# KiCad board SlowLampLEDPanel.kicad_pcb (continued)
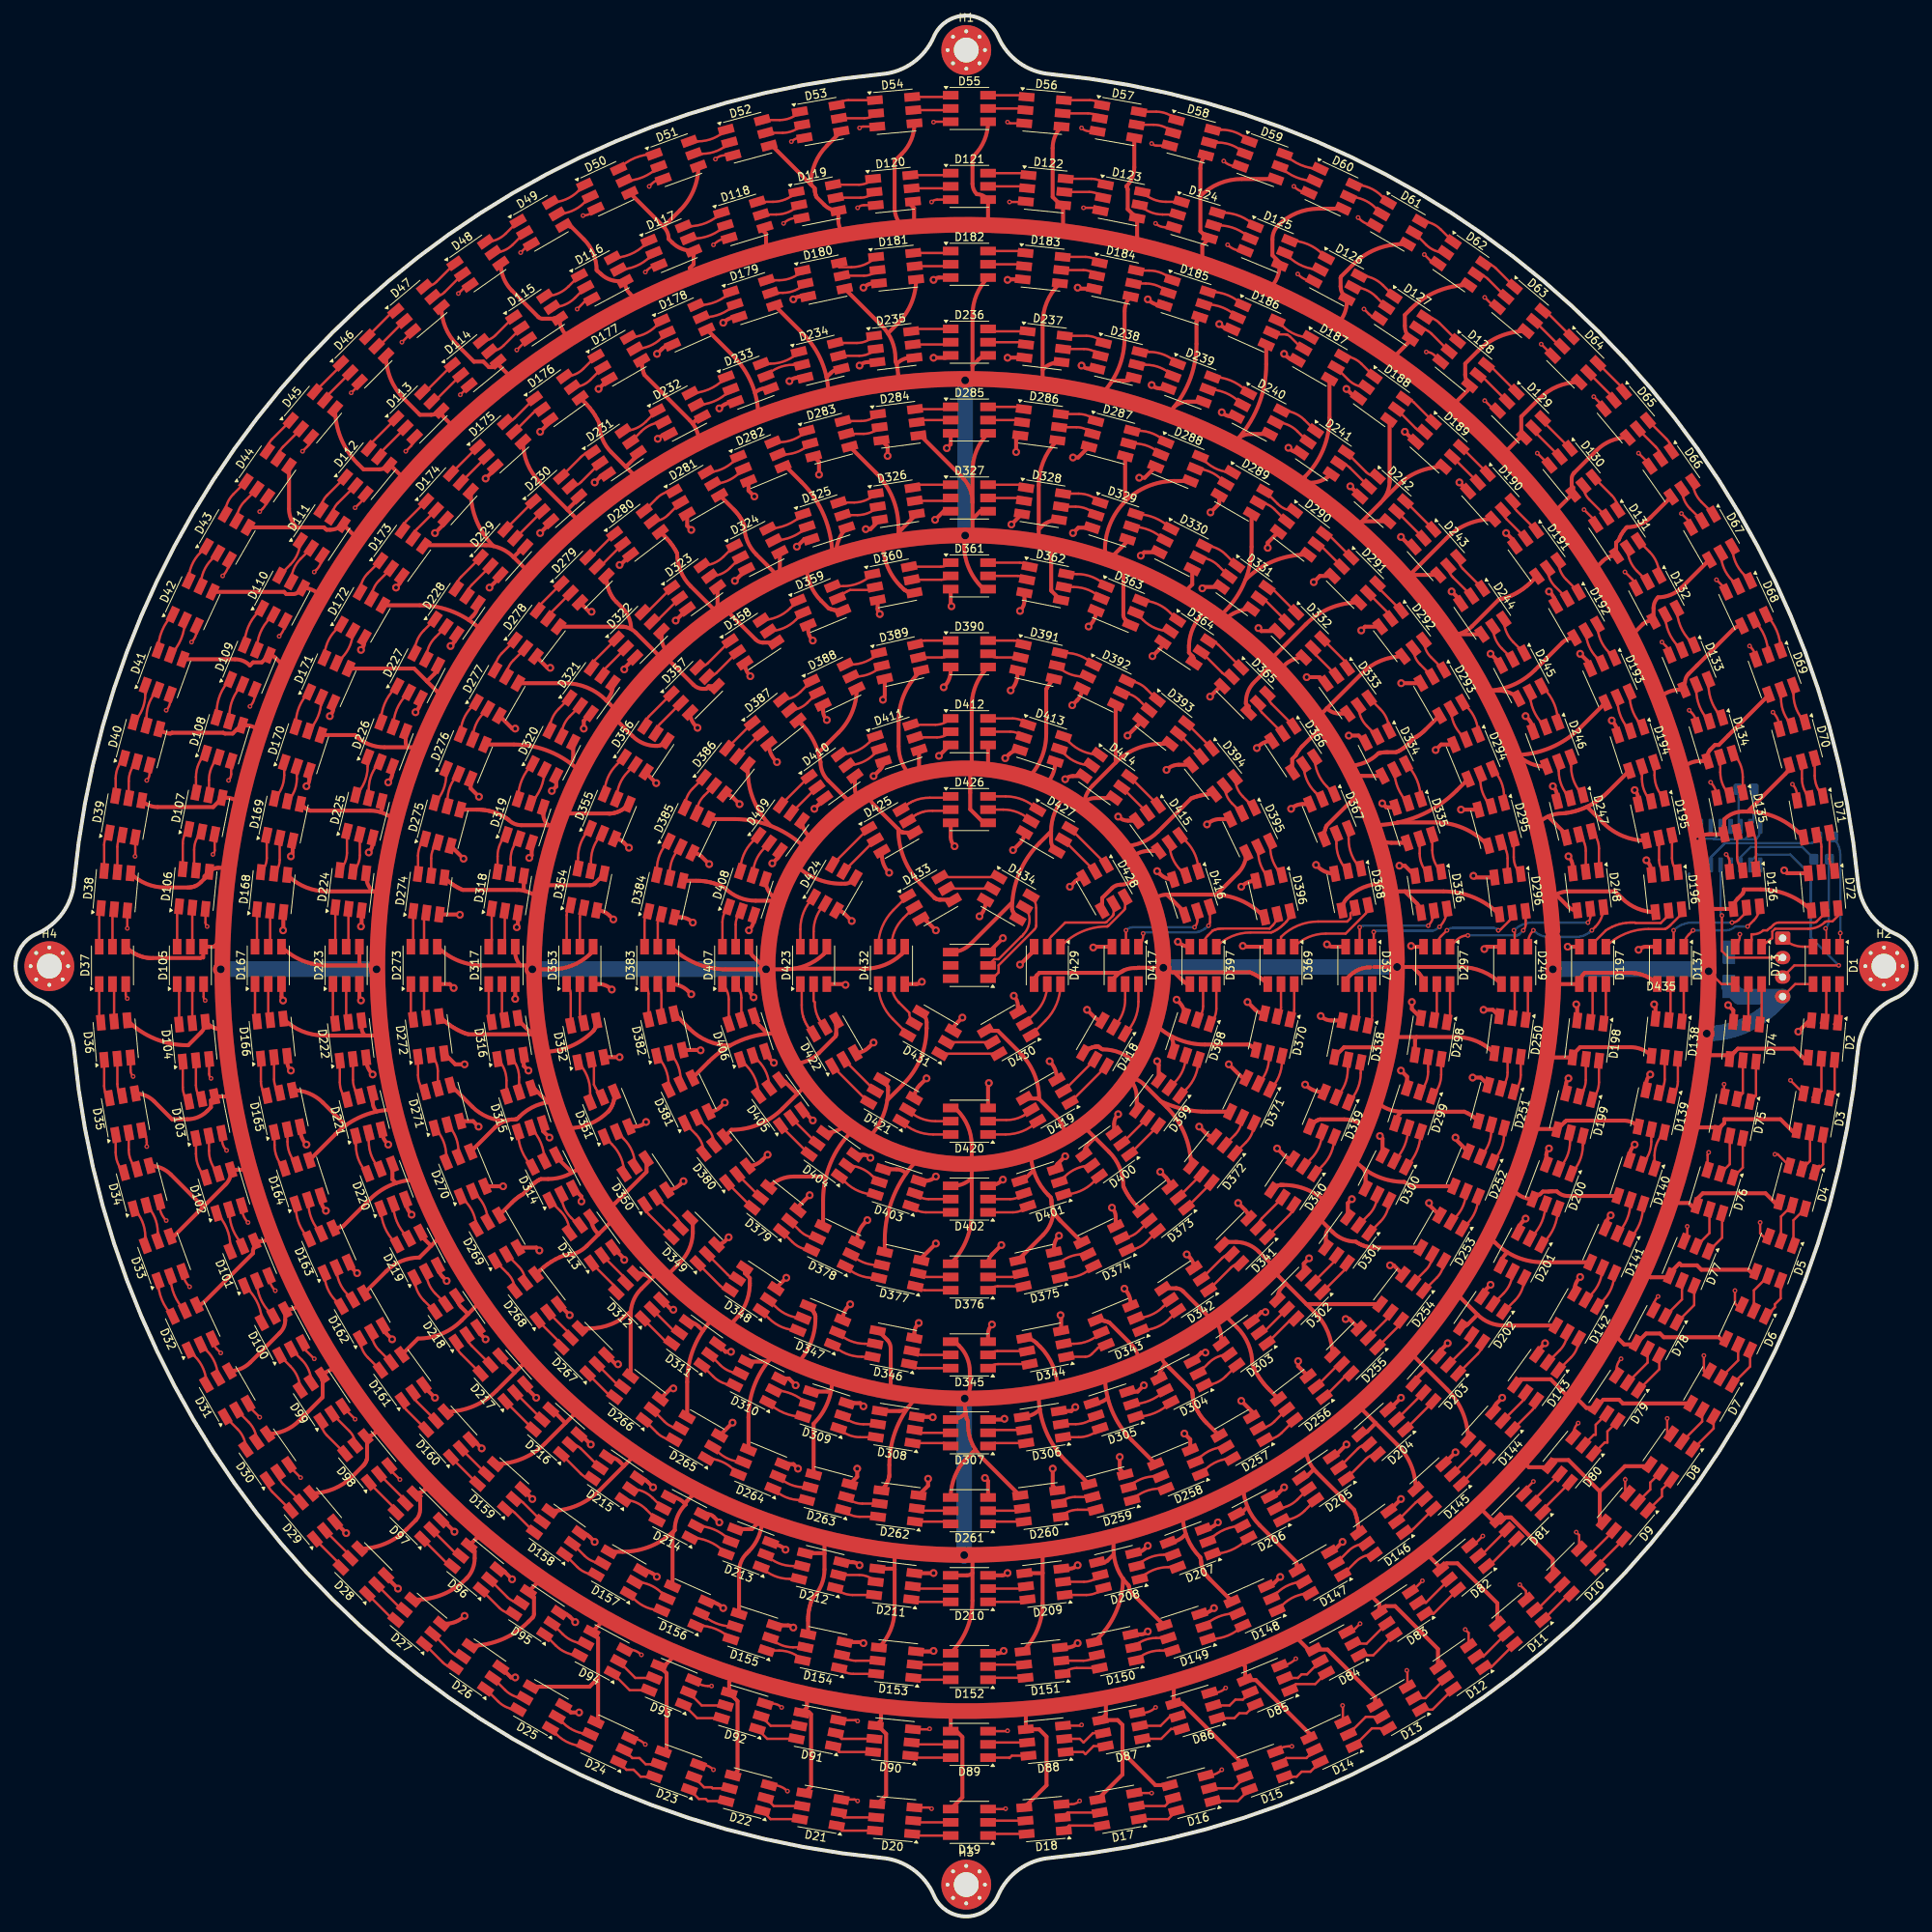
[diagram p0: board, top side]
## Routing (per net, layer and track width the routed paths; a pad name or vN(x,y) marks a point on that pad's centre or on a via; arc(x,y) is an arc through that point) (continued)
213.68,157.48 arc(212.17,157.18) 210.9,156.33 ; D387.4 100.73,153.22 100.96,152.99 101.16,152.77 101.37,152.53 arc(101.46,152.41) 101.56,152.29 arc(102.7,150.35) 103.32,148.18 arc(103.58,146.9) 104.31,145.81 106.45,143.66 arc(107.08,143.24) 107.82,143.1 ; D57.4 143.61,224.54 arc(143.34,223.21) 142.59,222.08 142.64,222.02 142.72,221.89 142.76,221.74 142.76,221.66 142.76,219.16 143.85,218.07 arc(143.9,218.04) D123.4 143.97,215.71 arc(143.87,215.21) 143.59,214.79 ; D411.4 115.97,147.1 arc(116.02,146.89) 116.14,146.71 ; 39.42,68.73 39.37,68.78 D99.4 ; 102.09,222.33 102.59,221.83 102.59,221.66 102.6,221.5 102.63,221.33 102.66,221.18 102.7,221.01 102.75,220.86 102.82,220.7 103.82,219.7 arc(104.64,219.15) D119.4 105.61,217.74 arc(105.8,216.8) 106.34,216 ; 102.09,222.33 97.38,227.04 arc(97.08,227.24) D52.4 ; 102.09,222.33 arc(102.62,225.02) 104.15,227.3 D53.4 ; 68.34,104.51 66.67,106.17 arc(66.48,106.3) D315.4 ; 131.34,178.08 131.57,178.31 arc(132.65,179.03) D328.4 ; 131.34,178.08 131.34,176.48 131.34,176.48 ; 131.34,178.08 131.34,183.71 arc(131.9,186.7) 133.53,189.27 D286.4 ; D264.4 94.08,64.07 arc(94.96,68.46) 97.44,72.19 ; 26.08,125.08 25.57,124.57 25.53,124.53 25.48,124.48 D105.4 arc(24.1,124.42) 24.09,124.36 24.09,123.08 ; 155.05,166.29 155.14,166.38 arc(156.75,167.46) D331.4 ; D288.4 148.77,184.26 arc(145.34,183.58) 142.43,181.64 ; D67.4 213.86,170.58 arc(212.47,169.65) 210.84,169.33 arc(210.41,168.69) 210.26,167.94 D132.4 209.91,166.3 arc(209.35,166.19) 208.89,165.88 207.36,164.35 ; D40.4 18.54,152.34 arc(18.65,152.25) 18.75,152.17 arc(19.29,151.92) 19.87,151.84 19.93,151.88 20.05,151.94 20.12,151.94 26.65,151.94 arc(26.77,151.86) 26.9,151.84 27.86,151.84 28.43,152.4 28.66,152.56 28.94,152.79 D108.4 29.43,152.91 arc(30.52,152.69) 31.44,152.08 ; 163.77,36.14 164.07,36.14 166.16,34.06 ; D295.4 188.7,137.77 arc(185.75,139.74) 182.26,140.44 177.43,140.44 arc(177.38,140.42) 177.34,140.39 ; 112.34,67.32 112.34,72.91 arc(112.24,73.46) 111.95,73.95 111.87,74.04 110.78,75.13 ; 34.62,160.3 33.33,161.59 arc(32.97,161.83) D109.4 31.6,160.98 30.49,160.98 30.09,160.58 arc(29.21,161.17) 28.16,161.38 D41.4 ; D364.4 151.27,161.18 151.26,161.29 151.22,161.51 151.13,161.72 150.62,162.23 150.62,162.91 150.63,163.15 arc(151.14,165.38) 152.43,167.27 152.95,167.79 ; 176.29,132.58 175.45,132.58 arc(173,132.09) 170.92,130.7 arc(170.47,130.06) 170.28,129.29 D368.4 ; D334.4 172.69,146.41 arc(172.21,146.31) 171.79,146.04 ; 201.73,142.45 203.81,140.37 arc(206.33,138.68) D195.4 ; 201.73,142.45 201.43,142.32 201.16,142.2 200.85,142.09 200.57,141.99 200.26,141.9 199.98,141.82 199.65,141.75 199.37,141.69 199.02,141.64 198.76,141.61 198.56,141.59 arc(196.85,141.25) 195.41,140.28 195.2,140.08 ; D390.4 124.66,160.2 124.48,160 124.31,159.8 arc(124.23,159.7) 124.14,159.59 arc(123.09,157.56) 122.73,155.3 122.73,148.33 arc(122.63,147.82) 122.34,147.38 ; 105.11,216.05 105.34,215.82 ; D173.4 52.46,175.97 arc(52.52,176) 52.59,176.02 ; D269.4 63.71,91.63 63.92,91.83 64.1,92 64.26,92.13 64.46,92.29 64.62,92.4 64.74,92.48 64.83,92.54 64.9,92.58 65.12,92.7 66.2,93.78 66.34,93.91 66.5,94.06 66.64,94.18 66.83,94.32 66.98,94.41 67.09,94.48 67.17,94.53 67.24,94.57 67.29,94.59 67.44,94.66 68.37,94.66 arc(70.72,95.12) 72.71,96.46 ; 113.31,139.56 113.63,139.24 113.73,139.2 113.76,139.19 113.81,139.17 113.87,139.16 113.95,139.14 114.06,139.13 114.21,139.13 D425.4 ; 113.31,139.56 110.15,142.72 arc(109.71,143.38) 109.56,144.16 ; 140.34,174.13 142.56,176.35 arc(142.69,176.55) D329.4 ; D354.4 75.53,133.82 arc(75.52,133.79) 75.51,133.76 ; D287.4 142.43,181.64 ; 142.43,181.64 arc(140.51,178.76) 139.84,175.37 139.84,174.31 ; 147.8,131.16 149.86,129.11 arc(150.03,128.85) D416.4 ; 147.8,131.16 153.73,131.16 arc(157.13,130.49) 160.01,128.56 D396.4 ; 147.8,131.16 arc(146.78,130.96) 145.91,130.38 ; 175.56,181.85 177.32,183.62 arc(180.07,185.45) D189.4 ; 162.2,159.94 162.81,160.55 arc(163.98,161.33) D332.4 ; D164.4 41.05,100.41 arc(44.56,102.76) 48.7,103.58 ; D39.4 16.32,143.14 arc(17.21,142.59) 18.24,142.4 25.36,142.4 26.44,143.49 arc(26.48,143.54) D107.4 26.98,143.61 arc(28,143.41) 28.87,142.83 ; 122.73,147.57 122.54,147.37 122.54,144.5 122.54,144.25 122.54,142.12 124.22,140.44 124.37,140.38 D426.4 ; 133.21,90.65 133.15,90.8 133.09,90.99 133.05,91.13 133.03,91.24 133.01,91.32 133,91.39 132.98,91.57 132.98,91.76 132.97,91.9 132.95,92.01 132.94,92.09 132.92,92.15 132.91,92.19 132.86,92.32 132.57,92.61 arc(130.92,95.09) 130.34,98.01 ; 133.21,90.65 133.29,90.48 133.39,90.28 133.49,90.11 133.61,89.92 133.72,89.76 133.86,89.59 133.99,89.44 134.14,89.28 D374.4 ; 133.21,90.65 arc(132.87,88.94) 131.9,87.48 D375.4 ; 130.67,95.78 129.61,94.72 arc(129.28,94.5) D401.4 ; 191.22,187.77 191.22,187.46 ; D320.4 71.58,148.78 arc(71.5,148.36) 71.26,148 ; 70.84,180.58 72.15,181.89 arc(72.27,182.07) D230.4 ; 70.84,180.58 72.49,178.92 ; 70.84,180.58 67.28,184.14 arc(65.69,186.51) D175.4 ; 111.98,203.22 113.25,204.5 arc(114.99,207.09) D181.4 ; 152.09,220.83 152.09,216.33 152.75,215.66 152.82,215.6 152.99,215.5 153.17,215.45 D124.4 152.34,214.52 152.34,212.31 152.77,212.74 ; D99.4 arc(40.38,70.14) 41.58,70.38 41.63,70.38 ; D99.4 arc(39.41,69.41) 39.42,69.34 39.42,66.78 arc(39.41,66.7) 39.37,66.62 39.34,66.58 36.34,63.58 arc(34.51,62.36) D30.4 ; D239.4 150.41,194.44 arc(149.48,194.26) 148.69,193.73 ; D267.4 73.66,75.48 arc(76.54,76.05) 78.97,77.68 ; D209.4 131.79,44.06 arc(131.82,44.07) 131.84,44.08 ; 96.34,213.78 96.34,216 95.7,216.64 ; D191.4 194.59,171.34 194.39,171.15 194.16,170.94 193.95,170.76 193.71,170.57 193.49,170.4 193.24,170.23 193,170.08 192.74,169.92 192.49,169.79 192.21,169.65 191.97,169.53 191.67,169.41 191.42,169.32 191.21,169.25 190.95,169.17 190.75,169.12 190.59,169.08 190.48,169.06 190.39,169.04 186.97,165.62 arc(185.72,164.78) 184.25,164.49 ; 174.59,63.33 177.39,60.53 arc(179.13,57.93) D145.4 ; 174.59,63.33 172.29,65.63 ; 174.59,63.33 173.54,62.29 arc(173.09,61.98) D204.4 ; D324.4 98.11,172.71 arc(98.18,172.34) 98.39,172.03 ; D305.4 138.53,65.89 arc(139.43,66.07) 140.19,66.58 ; 70.59,63.33 72.28,65.02 ; 70.59,63.33 67.98,60.72 arc(65.04,58.76) D159.4 ; 70.59,63.33 68.95,64.97 arc(68.84,65.04) D216.4 ; D389.4 115.95,159.65 arc(114.03,156.77) 113.35,153.37 113.35,150.22 arc(113.76,148.15) 114.94,146.4 ; 149.81,169.76 151.04,170.99 D330.4 ; D384.4 87.39,132.94 87.66,132.94 87.93,132.93 88.2,132.91 88.47,132.87 88.73,132.83 89.01,132.78 89.26,132.72 89.54,132.65 89.79,132.57 90.05,132.48 90.29,132.38 90.56,132.27 90.79,132.16 91.04,132.02 arc(92.86,130.81) 95.01,130.38 97.74,130.38 ; 98.03,113.38 97.81,113.38 arc(93.04,112.43) 88.99,109.73 D381.4 ; D282.4 98.67,186.1 98.76,186.09 98.95,186.06 100.88,184.12 arc(103.81,179.74) 104.84,174.57 ; D377.4 111.57,86.77 arc(112.71,92.46) 115.94,97.3 ; D402.4 120.32,93.78 arc(121.63,94.04) 122.74,94.78 ; 131.34,67.28 131.34,66.92 arc(132.25,62.32) 134.86,58.42 D259.4 ; 100.41,25.94 101.43,25.94 101.61,25.75 ; D385.4 92.25,140.86 arc(97.25,139.87) 101.48,137.04 ; 104.84,69.18 104.84,69.03 arc(104.21,65.9) 102.44,63.24 D263.4 ; 190.59,50.53 191.28,51.22 191.96,51.22 197.32,45.85 D10.4 ; 26.93,133.9 27.26,133.58 ; D244.4 184.95,164.58 arc(184.89,164.57) 184.84,164.54 ; 78.34,186.08 79.86,184.56 ; 78.34,186.08 79.79,187.53 arc(79.89,187.69) D231.4 ; 78.34,186.08 76.48,187.94 arc(75.33,189.66) 74.93,191.68 74.67,192.2 74.38,192.7 74.06,193.18 73.71,193.64 73.33,194.07 73.12,194.28 D176.4 ; D32.4 23.38,78.49 arc(23.48,78.5) 23.59,78.52 arc(23.93,78.66) 24.22,78.88 30.47,85.13 30.47,85.49 30.58,85.79 30.66,86.14 30.7,86.5 D101.4 31.44,86.68 arc(32.29,86.85) 33.01,87.33 ; 190.65,51.58 189.75,50.67 187.92,52.5 187.42,52.5 ; D156.4 84.33,48.89 arc(84.4,49.26) 84.61,49.58 ; D163.4 40.98,88.36 41.34,88.4 41.7,88.48 42.04,88.6 45.52,92.08 arc(48.29,93.93) 51.56,94.58 ; D19.4 121.54,15.28 121.54,23.03 120.79,23.78 D89.4 120.04,26.3 119.84,26.5 ; 84.07,33.95 84.07,34.31 ; 56.05,191.16 56.05,190.87 ; D342.4 147.3,80.61 arc(147.33,80.63) 147.36,80.63 ; 64.09,69.83 61.74,67.48 arc(58.74,65.48) D160.4 ; 64.09,69.83 65.74,71.48 ; 64.09,69.83 62.43,71.49 arc(62.29,71.7) D217.4 ; 178.34,131.58 179.9,130.01 arc(180.27,129.47) D336.4 ; 178.34,131.58 183.31,131.58 arc(187.18,130.81) D296.4 ; 178.34,131.58 176.48,131.58 ; D360.4 115.22,169.92 115.07,169.93 114.92,169.96 114.77,169.99 114.63,170.03 114.48,170.09 114.35,170.15 114.2,170.23 114.1,170.3 114.02,170.36 113.61,170.76 arc(111.93,173.28) 111.34,176.26 ; 197.44,180.19 199.77,182.51 arc(199.85,182.57) D130.4 199.95,183.43 199.75,183.62 199.75,184.52 arc(199.81,184.9) 200.01,185.25 200.09,185.33 202.96,188.21 arc(204.79,189.43) D65.4 ; 197.74,131.18 199.3,129.61 arc(199.83,129.26) D248.4 ; 102.36,138.16 101.72,138.79 arc(101.15,139.65) D409.4 ; 49.36,184.21 49.71,184.21 ; 168.59,88.33 167.11,89.81 ; 168.59,88.33 169.06,87.85 arc(170.42,86.94) 172.03,86.62 172.18,86.52 172.38,86.4 172.54,86.31 172.74,86.22 172.92,86.14 173.12,86.07 173.31,86.01 173.52,85.96 173.71,85.92 173.92,85.89 174.12,85.87 174.33,85.85 174.54,85.85 D253.4 ; 168.59,88.33 arc(168.29,87.89) 168.19,87.38 D301.4 ; D420.4 120.51,103.78 120.66,103.72 120.85,103.52 arc(122.25,101.43) 122.74,98.97 122.74,94.78 ; 71.08,202.59 70.74,202.93 arc(70.06,203.95) D115.4 ; D422.4 105.39,114.8 105.35,114.38 105.34,114.35 105.34,113.38 105.34,113.29 105.33,113.18 105.31,113.09 105.27,112.98 103.13,110.84 arc(101.61,109.83) 99.83,109.47 ; D146.4 172.4,49.25 172.39,49.53 172.35,50.08 172.28,50.63 172.16,51.17 172,51.7 171.81,52.22 166.95,57.08 arc(165.96,58.56) 165.61,60.31 ; D429.4 130.74,119.82 130.75,119.95 130.78,120.09 130.81,120.22 130.85,120.36 130.9,120.47 130.97,120.61 131.03,120.71 131.08,120.78 131.12,120.83 131.42,121.12 131.44,121.13 141.5,121.13 arc(141.92,121.21) 142.27,121.45 ; D404.4 104,100.59 arc(105.43,100.88) 106.65,101.69 ; 176.73,199.97 178.86,202.11 arc(178.98,202.28) 179.02,202.48 D127.4 arc(178.52,203.26) 178.34,204.19 178.34,205.58 179.1,206.34 arc(182.51,208.62) D62.4 ; 87.34,210.78 86.54,211.58 87.04,212.08 D117.4 86.84,213.82 arc(85.46,214.09) 84.3,214.87 83.84,215.33 arc(83.67,216.18) 83.18,216.91 ; D192.4 199.96,164.15 arc(199.19,163.96) 198.54,163.5 195.04,160 arc(192.08,158.02) 188.59,157.33 ; D174.4 58.42,182.94 arc(59.18,179.14) 61.34,175.91 ; D221.4 45.84,104.52 arc(45.97,103.87) 46.34,103.32 ; D347.4 102.17,77.94 102.26,77.85 102.35,77.74 102.43,77.63 102.5,77.51 102.56,77.4 102.62,77.26 102.65,77.15 102.67,77.07 102.67,76.74 arc(102.04,73.58) 100.26,70.9 ; 40.9,71.29 41.05,71.29 ; 113.1,199.31 arc(112.98,199.48) 112.94,199.68 112.94,199.99 arc(112.5,202.24) 111.22,204.16 D180.4 ; D23.4 83.57,21.56 83.57,31.21 D93.4 83.29,32.18 84.77,33.66 84.77,34.31 ; 39.23,169.43 39.02,169.65 arc(38.04,170.3) D110.4 36.44,170.1 arc(36.1,169.86) 35.7,169.75 35.58,169.74 34.75,169.74 34.47,170.02 D42.4 ; 134.09,169.03 133.01,170.12 132.97,170.15 arc(132.94,170.22) 132.94,170.29 132.94,176.18 ; D140.4 205.64,92.48 199.28,92.48 arc(198.5,92.64) 197.84,93.08 197.23,93.08 197.04,93.08 196.79,93.05 196.04,93.05 195.72,92.72 195.57,92.65 195.24,92.45 194.94,92.2 D200.4 arc(193.54,92.32) 192.47,93.04 191.92,93.58 ; 197.53,180.47 197.23,180.47 ; D50.4 83.18,216.91 ; 83.18,216.91 85.32,219.04 arc(87.05,221.62) D51.4 ; D177.4 80.37,199.54 80.38,199.32 80.4,199.12 80.43,198.9 80.47,198.69 80.52,198.48 80.58,198.28 80.65,198.07 80.72,197.88 86.55,192.05 arc(87.43,190.73) 87.74,189.18 ; 96.54,113.31 95.17,114.69 arc(94.88,115.11) D406.4 ; 26.76,114.63 26.82,114.58 ; 160.96,161.2 165.61,165.85 arc(168.74,167.94) D291.4 ; 156.84,33.09 157.84,32.09 D85.4 159.21,30.34 166.03,23.52 D14.4 ; D346.4 110.69,75.17 arc(110.73,75.16) 110.76,75.15 ; 46.39,63.33 46.39,63.63 ; 190.98,187.72 192.85,189.59 arc(193.18,189.81) 193.57,189.89 D129.4 arc(193.37,190.29) 193.28,190.77 193.28,192.52 193.34,192.58 195.6,194.84 arc(197.95,196.41) D64.4 ; 168.07,139.37 168.1,139.49 168.13,139.59 168.15,139.66 168.22,139.86 168.29,140.02 171.35,143.08 arc(172.04,143.54) 172.86,143.7 ; 36.81,78.81 36.75,78.74 arc(35.77,78.09) D100.4 34.61,76.54 arc(34.44,75.68) 33.96,74.95 33.84,74.83 30.12,71.12 arc(28.9,70.3) D31.4 ; 42.38,101.54 39.46,104.46 arc(37.67,105.65) D165.4 ; 170.78,207.75 D126.4 170.89,207.3 arc(170.59,205.76) 169.71,204.45 ; 122.84,44.08 122.84,40.54 arc(122.11,36.88) D152.4 ; 122.84,44.08 122.84,46.39 ; 122.84,44.08 arc(122.5,43.86) 122.11,43.78 D210.4 ; D431.4 116.55,115.75 arc(116.85,115.31) 116.95,114.78 ; 53.34,55.59 52.59,54.84 52.58,54.83 52.49,54.73 52.27,54.57 52.03,54.44 51.78,54.34 51.52,54.28 51.38,54.27 D97.4 51.94,53.56 51.94,52.28 arc(51.81,51.56) 51.43,50.93 51.34,50.83 50.21,49.7 arc(47.43,47.85) D28.4 ; 46.95,62.91 46.11,62.06 46.01,61.97 45.8,61.82 45.57,61.7 45.32,61.62 45.06,61.58 D98.4 arc(45.07,61.36) 45.12,61.1 45.12,58.86 45.11,58.77 45.08,58.66 45.04,58.51 44.99,58.4 44.92,58.26 44.85,58.15 44.77,58.03 44.69,57.93 44.59,57.83 43.27,56.52 arc(40.82,54.88) D29.4 ; 48.84,94.14 48.37,94.6 D220.4 ; D344.4 129.65,74.24 arc(130.41,74.05) 131.06,73.6 131.5,73.16 arc(133.15,70.68) 133.74,67.75 ; 50.34,150.08 51.91,150.08 ; 50.34,150.08 arc(50.14,150.37) 50.08,150.71 D226.4 ; 154.74,166.98 154.47,166.72 ; 196.72,141.19 198.76,139.16 arc(198.96,138.85) D247.4 ; D233.4 96.27,196.14 arc(95.53,196) 94.91,195.58 ; 52.75,56.09 52.85,56.09 ; D403.4 113.08,95.91 arc(113.75,95.77) 114.33,95.39 ; 140.78,197.14 142.57,197.14 arc(143.07,197.24) D238.4 ; 215.16,100.35 214.93,100.58 ; D343.4 138.9,76.54 139.1,76.53 139.29,76.52 139.49,76.5 139.67,76.46 139.87,76.42 140.05,76.37 140.24,76.3 140.41,76.23 143.24,73.39 arc(143.93,72.36) 144.18,71.14 ; 71.44,95.48 69.57,97.35 arc(69.44,97.53) D314.4 ; 166.66,57.4 165.95,56.7 arc(165.49,56.39) D205.4 ; D337.4 170.74,120.15 170.8,120.3 171.22,120.72 arc(172.46,121.55) 173.91,121.84 ; D290.4 165.66,174.8 arc(161.44,173.97) 157.87,171.58 ; 43.6,176.43 43.6,176.32 ; 202.59,172.83 203.71,173.95 arc(204.53,174.5) D131.4 arc(205.47,174.75) 205.45,174.82 205.45,176.35 205.78,176.68 205.94,177.06 206.15,177.45 206.4,177.82 206.68,178.17 206.84,178.33 arc(208.49,178.66) 209.89,179.59 D66.4 ; D424.4 107.45,132.97 arc(107,132.67) 106.48,132.57 105.98,132.57 arc(102.81,133.2) 100.12,134.99 ; 71.2,203.07 71.85,203.07 ; D358.4 97.57,163.55 arc(97.54,163.53) 97.51,163.52 ; 154.14,131.16 156.9,133.92 arc(157.7,135.12) D395.4 ; 150.22,49.08 150.01,48.87 arc(149.07,48.24) D207.4 ; D162.4 47.57,82.81 arc(49.53,84.12) 51.84,84.58 53.34,86.08 ; D362.4 134.18,168.98 arc(134.15,168.99) 134.12,169.01 ; D169.4 36.71,142.64 36.85,142.52 37.02,142.39 37.17,142.28 37.32,142.19 37.48,142.1 37.64,142.02 37.81,141.95 45.5,141.95 arc(47.28,141.59) 48.8,140.58 ; 83.42,161.7 87.01,158.11 arc(87.52,157.75) 88.13,157.59 88.27,157.58 88.65,157.58 88.99,157.93 D357.4 89.9,157.85 arc(89.8,157.78) 89.7,157.72 arc(89.43,157.62) 89.15,157.58 ; D382.4 86.5,113.96 arc(88.9,112.36) 91.72,111.79 ; D414.4 138.57,143.56 arc(137.81,143.41) 137.16,142.98 ; D262.4 111.28,54.82 111.42,54.98 111.54,55.13 111.66,55.3 111.75,55.46 111.86,55.65 111.93,55.81 111.99,55.95 112.05,56.13 112.09,56.26 112.12,56.36 112.14,56.44 112.15,56.5 112.16,56.68 112.16,57.95 arc(113.12,62.75) 115.84,66.82 ; D265.4 86.21,68.61 arc(87.1,73.08) 89.63,76.87 ; 104.1,197.58 104.61,198.09 arc(105.26,198.53) D234.4 ; D266.4 78.95,77.45 78.96,77.46 arc(78.97,77.57) 78.97,77.68 ; 203.04,65.47 203.04,65.56 203.81,66.33 205.84,66.33 206.32,65.85 D7.4 ; D363.4 142.43,166.49 arc(142.26,166.74) 142.2,167.04 142.2,172.5 arc(142.29,172.94) 142.54,173.31 ; 49.94,184.47 48.23,186.19 arc(48.11,186.27) D112.4 arc(47.38,185.9) 46.67,185.76 44.66,185.76 43.94,186.48 arc(41.78,189.71) D45.4 ; D365.4 158.29,155.31 157.94,155.66 157.94,155.86 arc(158.22,157.26) 159.01,158.45 ; D300.4 173.29,95.14 arc(173.19,95.67) 172.88,96.13 ; D185.4 151.9,205.21 151.79,205.07 151.72,204.97 151.67,204.89 151.63,204.82 151.61,204.77 151.59,204.73 151.59,201.86 arc(150.62,196.95) 147.84,192.79 ; 53.34,86.08 54.74,87.48 ; 53.34,86.08 52.27,87.15 arc(52.06,87.46) D219.4 ; D279.4 75.84,171.86 75.85,171.64 75.88,171.41 75.91,171.2 75.95,170.97 76,170.76 76.06,170.54 76.13,170.34 76.21,170.11 76.3,169.92 76.41,169.71 76.51,169.53 76.64,169.31 arc(76.69,169.24) 76.75,169.16 arc(76.93,168.94) 77.13,168.73 77.89,167.97 arc(78.72,166.73) 79.01,165.26 ; D178.4 92.1,200.33 arc(94.5,196.75) 95.34,192.53 ; 56.3,191.11 54.97,192.44 arc(54.72,192.83) D113.4 arc(54.04,192.89) 53.35,192.76 51.91,192.76 49.85,194.82 arc(48.15,197.36) D46.4 ; D115.4 69.14,205.15 69.09,205.1 ; D115.4 arc(69.76,205.11) 69.7,205.1 67.65,205.1 arc(67.38,205.14) 67.14,205.28 67.09,205.33 63.73,208.69 arc(62.66,210.29) D48.4 ; D274.4 55.22,133.19 55.42,133.01 55.61,132.85 55.82,132.68 56.03,132.53 56.25,132.38 56.47,132.24 56.7,132.11 56.93,131.99 57.17,131.87 57.4,131.77 64.35,131.77 arc(65.9,131.46) 67.22,130.58 ; D303.4 154.76,74.34 arc(154.52,75.55) 153.83,76.58 ; 122.74,94.78 122.74,90.3 arc(122.04,86.77) D376.4 ; D22.4 92.68,18.68 92.68,27.63 D92.4 91.61,30.12 92.59,31.11 ; 80.99,97.12 80.99,95.58 76.98,91.57 arc(76.47,91.23) 75.87,91.11 ; 130.1,23.82 129.18,23.82 ; 110.92,24.29 109.91,24.29 ; D322.4 82.91,164.3 arc(83.15,163.11) 83.83,162.09 ; D351.4 76.89,105.61 76.89,105.41 76.88,105.23 76.85,105.03 76.82,104.85 76.77,104.65 76.72,104.47 76.66,104.28 76.59,104.11 76.52,103.97 76.43,103.8 76.35,103.67 76.24,103.51 76.15,103.4 76.08,103.31 76.06,103.31 arc(73.71,101.73) 70.93,101.18 70.55,101.18 ; 27.64,134.18 27.22,134.6 26.05,134.6 25.92,134.6 25.65,134.56 25.4,134.48 25.16,134.35 24.94,134.2 D106.4 24.25,133.51 24.25,133.23 23.82,132.8 arc(23.5,132.51) 23.15,132.3 arc(23.07,132.27) 22.99,132.23 22.85,132.19 22.7,132.15 22.55,132.12 22.39,132.09 22.25,132.08 22.09,132.08 19.18,132.08 arc(16.78,132.55) D38.4 ; D289.4 158.67,175.81 arc(157.77,171.34) 155.24,167.54 ; D150.4 138.99,35.75 arc(141.33,39.26) 142.16,43.4 ; 169.39,110.42 170.48,111.51 170.51,111.54 170.54,111.56 175.89,111.56 arc(176.13,111.51) 176.33,111.38 ; 97.48,163.52 95.94,163.52 95.84,163.52 arc(95.39,163.64) 95.01,163.91 91.05,167.87 ; D193.4 200.89,152.61 arc(196.98,150) 192.36,149.08 ; 131.84,44.08 131.84,40.19 arc(131.17,36.84) D151.4 ; 131.84,44.08 131.84,47.04 ; 97.74,130.38 97.15,130.97 arc(96.49,131.95) D408.4 ; 97.74,130.38 97.96,130.38 ; 59.59,49.28 60.04,49.28 ; 88.23,75.18 87.7,75.71 arc(87.03,76.17) D311.4 ; D243.4 179.53,172.21 arc(179.01,172.1) 178.56,171.8 183.65,176.89 arc(186.41,178.73) D190.4 ; D168.4 35.06,133.52 arc(37.33,132.08) 39.98,131.58 ; D184.4 143.02,207.82 arc(142.91,207.69) 142.81,207.55 arc(142.47,206.84) 142.36,206.06 142.36,202.63 arc(141.57,198.68) 139.34,195.34 ; D294.4 184.97,144.52 arc(180.06,141.23) 174.26,140.08 ; D187.4 168.67,192.39 arc(167.85,188.31) 165.54,184.85 arc(165.53,184.79) 165.5,184.75 165.05,184.29 164.79,184.03 166.17,184.03 arc(167.64,184.32) D241.4 ; D361.4 124.44,170.38 124.38,170.38 124.34,170.39 124.3,170.4 124.28,170.41 124.22,170.44 124.04,170.62 arc(122.34,173.17) 121.74,176.18 ; 63.92,174.49 65.93,172.49 ; 63.92,174.49 65.1,175.67 arc(65.25,175.76) D229.4 ; 104.04,94.98 99.93,94.98 arc(98.17,94.63) D379.4 ; D172.4 51.88,168.31 arc(56.25,167.44) 59.95,164.97 ; 63.71,197.45 62.18,198.98 arc(62,199.26) D114.4 61.22,198.88 60.76,198.88 60.05,199.59 58.86,199.59 58.84,199.58 56.66,201.75 arc(55.18,203.97) D47.4 ; 184.45,193.94 186.37,195.86 arc(186.58,196.18) D128.4 arc(186.23,197.17) 186.09,197.91 186.09,199.33 187.69,200.93 arc(190.53,202.83) D63.4 ; D188.4 176.33,192.05 arc(176.36,191.99) 176.38,191.93 ; D308.4 113.44,64.87 arc(114.06,64.99) 114.57,65.34 ; 138.76,27.48 138.34,27.9 ; D138.4 209.87,110.59 arc(208.68,111.33) 207.31,111.58 200.84,111.58 200.13,110.87 arc(199.94,110.59) D198.4 197.35,110.26 arc(196.93,110.34) 196.58,110.58 ; 191.5,85.25 191.24,84.98 arc(190.8,84.33) D201.4 ; D276.4 63.99,150.43 arc(68.6,149.52) 72.51,146.9 ; 26.27,124.28 26.57,124.58 ; D391.4 133.14,158.73 133,158.57 132.85,158.38 132.73,158.22 132.58,158.01 132.48,157.85 132.41,157.73 132.36,157.63 132.33,157.56 132.3,157.51 132.3,151.79 arc(131.69,148.71) 129.94,146.09 ; D147.4 164.51,44.63 164.49,44.83 164.47,45.07 164.45,45.26 164.4,45.51 159.71,50.2 arc(158.13,52.56) 157.58,55.33 ; 129.59,26.79 129.68,26.69 D88.4 131.4,24.02 132.34,23.08 132.34,16.83 D18.4 ; D37.4 14.29,124.33 14.46,124.17 14.63,124.04 14.81,123.9 14.99,123.78 15.19,123.66 15.38,123.55 15.59,123.45 15.78,123.36 16,123.28 16.2,123.21 16.43,123.15 16.63,123.1 16.88,123.05 17.07,123.03 17.21,123.02 17.32,123.02 arc(17.36,123.01) 17.4,123.01 arc(17.52,123.02) 17.64,123.03 23.71,123.03 arc(23.78,123.04) 23.84,123.08 ; 132.18,145.22 132.23,145.27 arc(133.14,146.64) D413.4 ; D421.4 111.38,107.26 111.52,107.12 111.77,106.81 112,106.47 112,106.07 arc(111.33,102.72) 109.43,99.87 ; D69.4 arc(225.01,156.78) 224.96,156.7 218.64,150.38 218.14,150.38 217.56,149.8 217.48,149.71 arc(217.27,149.34) 217.2,148.93 D134.4 216.27,148.32 arc(214.97,148.06) 213.88,147.33 ; D36.4 arc(17.89,112.66) 22.07,111.83 22.09,111.83 22.17,111.83 23.82,113.48 arc(24.23,114.1) D104.4 24.48,114.72 24.6,114.61 24.85,114.41 25.13,114.24 25.42,114.1 25.73,113.99 26.04,113.92 26.36,113.88 26.53,113.88 26.76,113.88 arc(26.82,113.87) 26.88,113.83 ; 121.74,176.88 arc(121.78,177.09) v1(121.9,177.26) ; 28.03,105.08 arc(27.83,105.21) 27.6,105.26 D103.4 25.08,104.77 25.08,103.86 24.6,103.39 arc(23.43,102.6) 22.05,102.33 20.09,102.33 17.78,104.64 arc(16.67,105.38) D35.4 ; D349.4 arc(86.84,89.24) 86.93,88.79 86.93,87.92 86.93,87.67 arc(86.46,85.64) 85.28,83.92 83.66,82.3 arc(83.5,82.2) 83.32,82.16 ; D72.4 arc(227.54,131.13) 224.01,131.83 221.84,131.83 221.83,131.72 221.79,131.5 221.71,131.3 221.04,130.63 arc(220.64,130.03) D136.4 217.66,129.33 arc(217.34,129.26) 217.07,129.08 ; 214.29,158.36 arc(214.42,158.99) 214.77,159.51 220.46,165.2 arc(220.98,165.55) D68.4 ; 113.84,216.94 arc(113.1,218.04) 112.84,219.35 112.84,225.33 113.77,226.26 arc(114.97,228.06) D54.4 ; D26.4 arc(62.41,35.55) 65.86,37.85 66.34,38.33 66.4,38.4 arc(66.51,38.61) 66.55,38.84 66.55,40.96 D95.4 67.49,43.34 arc(67.57,43.4) 67.67,43.42 ; 196.92,130.58 arc(198.03,131.32) 199.34,131.58 205.34,131.58 206.22,130.7 arc(208.18,129.38) D196.4
  Top w2: 197.34,125.58 arc(46.56,117.68) 197.28,126.58 ; 147.33,122.58 arc(96.54,121.68) v1(147.34,121.78) arc(96.54,121.68) 147.34,121.58 ; v1(177.34,121.88) arc(66.54,121.53) 177.33,122.58 ; 217.33,120.58 arc(26.54,122.68) v1(217.33,121.33) arc(26.54,122.68) 217.34,121.58
  Bottom w0.3: 222.04,138.28 223.44,138.28 arc(223.82,138.86) 223.96,139.53 U1.14 ; 222.04,138.28 218.15,138.28 arc(218.08,138.29) 218.03,138.33 ; 222.04,138.28 arc(222.52,139) 222.69,139.85 U1.13 arc(222.98,140.37) 223.09,140.9 223.09,144.68 ; 218.03,138.33 218.35,138.65 arc(218.74,139.24) U1.10 ; 218.03,138.33 v2(215.91,138.33)
  Bottom w2: v1(26.34,121.58) v1(46.34,121.58) ; 122.03,177.12 v1(121.9,177.26) v1(121.9,197.18) 121.9,197.22 ; 121.77,46.26 v1(121.77,46.38) 121.77,66.44 121.69,66.52 ; C1.1 221.24,118.08 J2.4 225.62,116.86 arc(221.71,114.25) v1(217.09,113.33) ; 147.34,121.58 147.64,121.88 v1(177.34,121.88) ; 217.34,121.58 v1(197.34,121.58) ; v1(66.34,121.58) v1(96.34,121.58)
GND: length 1008.2
  Top w0.3: v2(36.59,56.33) 35.23,57.69 arc(35.13,57.83) D30.3 ; D16.3 153.05,18.09 arc(154.02,18.28) v2(154.84,18.83) ; D76.3 217.2,97.75 arc(217.24,97.93) v2(217.34,98.08) ; v2(172.59,37.58) 171.97,36.97 arc(171.48,36.63) D84.3 ; v2(80.84,22.08) 80.83,22.09 arc(79.92,22.7) D24.3 ; 220.71,80.45 v2(220.71,80.33) 220.71,78.68 221.1,78.28 ; D40.3 17.21,146.72 arc(17.11,146.24) v2(16.84,145.83) ; v2(211.34,163.58) 211.86,163.05 arc(212.21,162.53) D133.3 ; D78.3 210.26,78.19 arc(210.41,78.94) v2(210.84,79.58) ; v2(172.34,218.08) 172.52,217.89 arc(173.43,217.28) D61.3 ; v2(38.34,172.58) 38.6,172.85 arc(39.17,173.7) D111.3 ; v2(200.34,49.33) 200.71,48.95 D10.3 ; D105.3 24.14,118.06 arc(24.19,117.8) v2(24.34,117.58) ; v2(180.59,43.08) 179.29,41.78 arc(179.18,41.71) D83.3 ; D156.3 88.77,40.44 ; D22.3 97.23,16.85 arc(98.23,16.65) v2(99.09,16.08) ; 224.53,87.09 223.95,87.67 v2(223.95,89.08) 223.95,89.22 ; v2(194.84,55.83) 193.9,54.89 arc(193.71,54.61) D81.3 ; D149.3 152.06,38.84 ; v2(38.34,71.58) 37.29,72.63 arc(36.98,73.09) D100.3 ; D119.3 100.26,218.02 arc(99.35,217.84) v2(98.59,217.33) ; v2(201.34,180.58) 202.56,179.36 arc(202.76,179.05) D131.3 ; v2(208.34,187.83) 209.61,186.55 arc(209.73,186.37) D66.3 ; 206.62,56.3 v2(206.62,56.08) 206.62,54.28 206.44,54.1 ; v2(43.09,195.58) 43.94,196.43 arc(44.1,196.68) D46.3 ; v2(31.34,180.33) 31.71,180.71 arc(32.18,181.41) D44.3 ; D214.3 89,51.63 ; D109.3 30.7,156.81 arc(30.54,156.01) v2(30.09,155.33) ; v2(193.09,42.58) 193.89,41.78 D11.3 ; v2(26.34,72.33) 25.84,72.83 arc(25.44,73.43) D32.3 ; D125.3 157.43,213.82 arc(156.43,214.01) v2(155.59,214.58) ; D135.3 218.38,143.66 arc(218.17,144.7) v2(217.59,145.58) ; v2(202.59,195.08) 203.66,194.01 arc(203.81,193.79) D65.3 ; v2(22.34,80.83) 22.27,80.9 arc(21.69,81.76) D33.3 ; v2(186.09,36.83) 186.52,36.4 D12.3 ; v2(89.34,29.58) 88.88,29.58 arc(87.88,29.78) D93.3 ; v2(49.59,202.08) 50.97,203.46 arc(50.98,203.48) D47.3 ; v2(89.59,214.58) 89.65,214.64 arc(90.54,215.24) D118.3 ; D102.3 29.07,90.94 arc(29.27,89.93) v2(29.84,89.08) ; D108.3 27.67,146.64 arc(27.59,146.2) v2(27.34,145.83) ; D1.3 229.49,124.48 arc(228.06,124.77) J2.1 ; v2(164.09,222.08) 164.13,222.03 arc(165,221.45) D60.3 ; D120.3 108.91,219.67 arc(108.46,219.58) v2(108.09,219.33) ; D41.3 19.85,156.06 arc(19.71,155.39) v2(19.34,154.83) ; v2(214.59,88.58) 214.59,87.68 arc(214.48,87.14) D77.3 ; v2(57.09,195.33) 58.16,196.41 arc(58.21,196.47) D114.3 ; D21.3 107.66,15.01 arc(107.89,14.96) v2(108.09,14.83) ; D56.3 127.71,230.18 arc(127.51,230.22) v2(127.34,230.33) ; v2(178.59,31.58) 178.67,31.5 D13.3 ; v2(26.59,172.08) 26.59,172.08 arc(27.22,173.03) D43.3 ; v2(218.34,171.58) 219.35,170.56 arc(219.52,170.32) D68.3 ; v2(213.84,180.08) 214.62,179.3 arc(214.92,178.84) D67.3 ; v2(117.84,230.33) 117.86,230.35 arc(117.91,230.37) 117.96,230.38 D55.3 ; D53.3 100.76,228.32 arc(100.13,228.19) v2(99.59,227.83) ; D34.3 18.45,91.47 arc(18.68,90.31) v2(19.34,89.33) ; D90.3 117.19,24.02 arc(117.27,24.03) v2(117.34,24.08) ; D50.3 74.15,218.87 arc(73.54,218.47) v2(72.84,218.33) ; v2(214.84,154.83) 215.14,154.53 arc(215.63,153.79) D134.3 ; v2(64.34,201.08) 65.67,202.41 arc(65.74,202.46) D115.3 ; v2(225.84,97.83) 226.21,97.83 D4.3 ; D42.3 23.27,165.23 arc(23.09,164.34) v2(22.59,163.58) ; v2(164.59,210.83) 164.7,210.71 arc(165.6,210.11) D126.3 ; v2(81.34,222.08) 81.68,222.42 arc(82.35,222.87) D51.3 ; v2(212.02,63.93) 212.02,61.74 212.03,61.73 ; D14.3 170.38,27.03 v2(170.34,27.08) ; v2(127.59,220.08) 129.53,220.08 arc(129.61,220.1) D122.3 ; D38.3 v2(14.34,126.84) ; D52.3 91.02,226.07 arc(90.38,225.94) v2(89.84,225.58) ; D124.3 147.51,216.84 arc(146.88,216.97) v2(146.34,217.33) ; D121.3 118.31,220.38 arc(117.92,220.3) v2(117.59,220.08) ; D75.3 v2(219.32,106.83) ; v2(33.34,80.33) 33.33,80.34 arc(32.74,81.21) D101.3 ; D110.3 34.61,166.2 arc(34.41,165.19) v2(33.84,164.33) ; D213.3 97.16,47.78 ; D71.3 228.67,143.91 arc(228.52,144.68) v2(228.09,145.33) ; v2(180.84,213.33) 181.58,212.59 arc(182.04,212.28) D62.3 ; v2(56.84,208.33) 57.62,209.11 arc(57.96,209.34) D48.3 ; v2(80.84,211.08) 81.12,211.37 arc(81.8,211.82) D117.3 ; D20.3 117.22,13.98 arc(117.42,13.94) v2(117.59,13.83) ; D3.3 227.84,107.31 v2(227.84,107.33) ; v2(49.34,56.08) 48.27,57.15 arc(48.05,57.48) D98.3 ; D104.3 24.85,108.16 arc(24.91,107.85) v2(25.09,107.58) ; v2(36.84,188.08) 37.45,188.69 arc(37.81,189.23) D45.3 ; D70.3 226.43,152.55 arc(226.21,153.65) v2(225.59,154.58) ; 230.12,133.95 D72.3 ; v2(164.34,33.08) 164.26,33 arc(163.35,32.39) D85.3 ; D92.3 97.16,27.32 arc(97.8,27.19) v2(98.34,26.83) ; v2(216.72,72) 216.72,70.01 216.93,69.81 ; v2(188.59,194.58) 189.62,193.54 arc(189.91,193.35) D129.3 ; D23.3 87.99,19.49 arc(88.86,19.32) v2(89.59,18.83) ; D88.3 136.62,24.49 arc(136.74,24.51) v2(136.84,24.58) ; D57.3 137.87,229.15 arc(137.31,229.26) v2(136.84,229.58) ; D17.3 145.81,15.84 arc(145.82,15.84) v2(145.84,15.83) ; v2(188.34,48.83) 187.45,47.95 arc(187.09,47.7) D82.3 ; v2(222.59,163.08) 222.74,162.92 arc(223.22,162.21) D69.3 ; v2(163.84,21.83) 163.42,21.83 arc(162.51,21.65) D15.3 ; v2(50.09,188.08) 50.76,188.75 arc(51.11,189.27) D113.3 ; v2(195.34,187.83) 196.85,186.32 arc(196.87,186.3) D130.3 ; D79.3 205.5,70.17 arc(205.66,70.93) v2(206.09,71.58) ; v2(188.59,207.83) 189.56,206.85 arc(189.86,206.65) D63.3 ; D94.3 78.71,34.26 arc(79.59,34.08) v2(80.34,33.58) ; D128.3 182.14,200.39 arc(181.66,200.72) v2(181.09,200.83) ; D86.3 153.84,28.71 arc(154.65,28.87) v2(155.34,29.33) ; D54.3 108.77,229.76 arc(108.53,229.71) v2(108.34,229.58) ; D36.3 14.76,108.62 arc(14.84,108.19) v2(15.09,107.83) ; v2(16.84,98.83) 16.84,99.37 arc(16.67,100.2) D35.3 ; D58.3 146.49,227.31 arc(146.13,227.38) v2(145.84,227.58) ; D39.3 15.37,136.15 arc(15.36,136.11) v2(15.34,136.08) ; v2(43.59,180.83) 44.63,181.88 arc(44.85,182.2) D112.3 ; D59.3 156.68,224.67 arc(155.82,224.84) v2(155.09,225.33) ; D18.3 135.55,14.4 arc(136.11,14.51) v2(136.59,14.83) ; v2(173.09,206.33) 173.72,205.7 arc(174.33,205.29) D127.3 ; D107.3 25.56,136.86 arc(25.5,136.57) v2(25.34,136.33) ; v2(31.34,64.08) 30.04,65.37 arc(29.9,65.59) D31.3 ; v2(72.09,206.33) 72.99,207.23 arc(73.44,207.53) D116.3 ; v2(64.84,213.58) 65.73,214.47 arc(65.95,214.62) D49.3 ; v2(43.59,63.83) 42.1,65.31 arc(42.05,65.39) D99.3 ; D19.3 126.97,13.78 arc(127.03,13.79) v2(127.09,13.83) ; D91.3 107.8,25.2 arc(107.95,25.17) v2(108.09,25.08) ; v2(206.59,172.58) 207.55,171.62 arc(207.88,171.12) D132.3 ; D80.3 199.95,61.78 arc(200.11,62.62) v2(200.59,63.33) ; v2(137.09,219.33) 138.37,219.33 arc(138.85,219.23) D123.3 ; v2(195.84,201.83) 197.3,200.36 D64.3 ; D103.3 26.49,99.76 arc(26.65,98.99) v2(27.09,98.33) ; D89.3 127.22,23.78 arc(127.28,23.79) v2(127.34,23.83) ; v2(221.34,126.08) 221.34,125.93 arc(221.18,125.14) D73.3 ; D87.3 144.66,26.14 arc(145.57,26.32) v2(146.34,26.83) ; D37.3 14.14,118.31 arc(14.19,118.05) v2(14.34,117.83) ; D136.3 220.03,135.26 arc(219.91,135.84) v2(219.59,136.33) ; D106.3 24.37,127.59 arc(24.43,127.31) v2(24.59,127.08) ; D197.3 arc(200.81,124.59) 200.84,124.72 ; D28.3 arc(47.59,43.63) 47.69,43.48 ; D96.3 arc(62.08,44.54) 62.21,44.45 ; D29.3 arc(41.04,50.62) 41.06,50.61 ; D97.3 arc(54.64,50.8) 54.68,50.73 ; D204.3 arc(176.31,65.09) 176.44,65.18 ; D27.3 arc(55.06,37.49) 55.4,37.27